# Altium PCB ZHZ_Balance.PcbDoc
Units mil, origin at the board's own origin, x right, y up, seen from the top; angles counter-clockwise.
Board outline 3159.64 x 2608.46 mil, 2 copper layers (Top Layer, Bottom Layer); 66 components, 62 nets, 270 pads, 167 vias.
Unrouted connection lines stored in the file: 57.
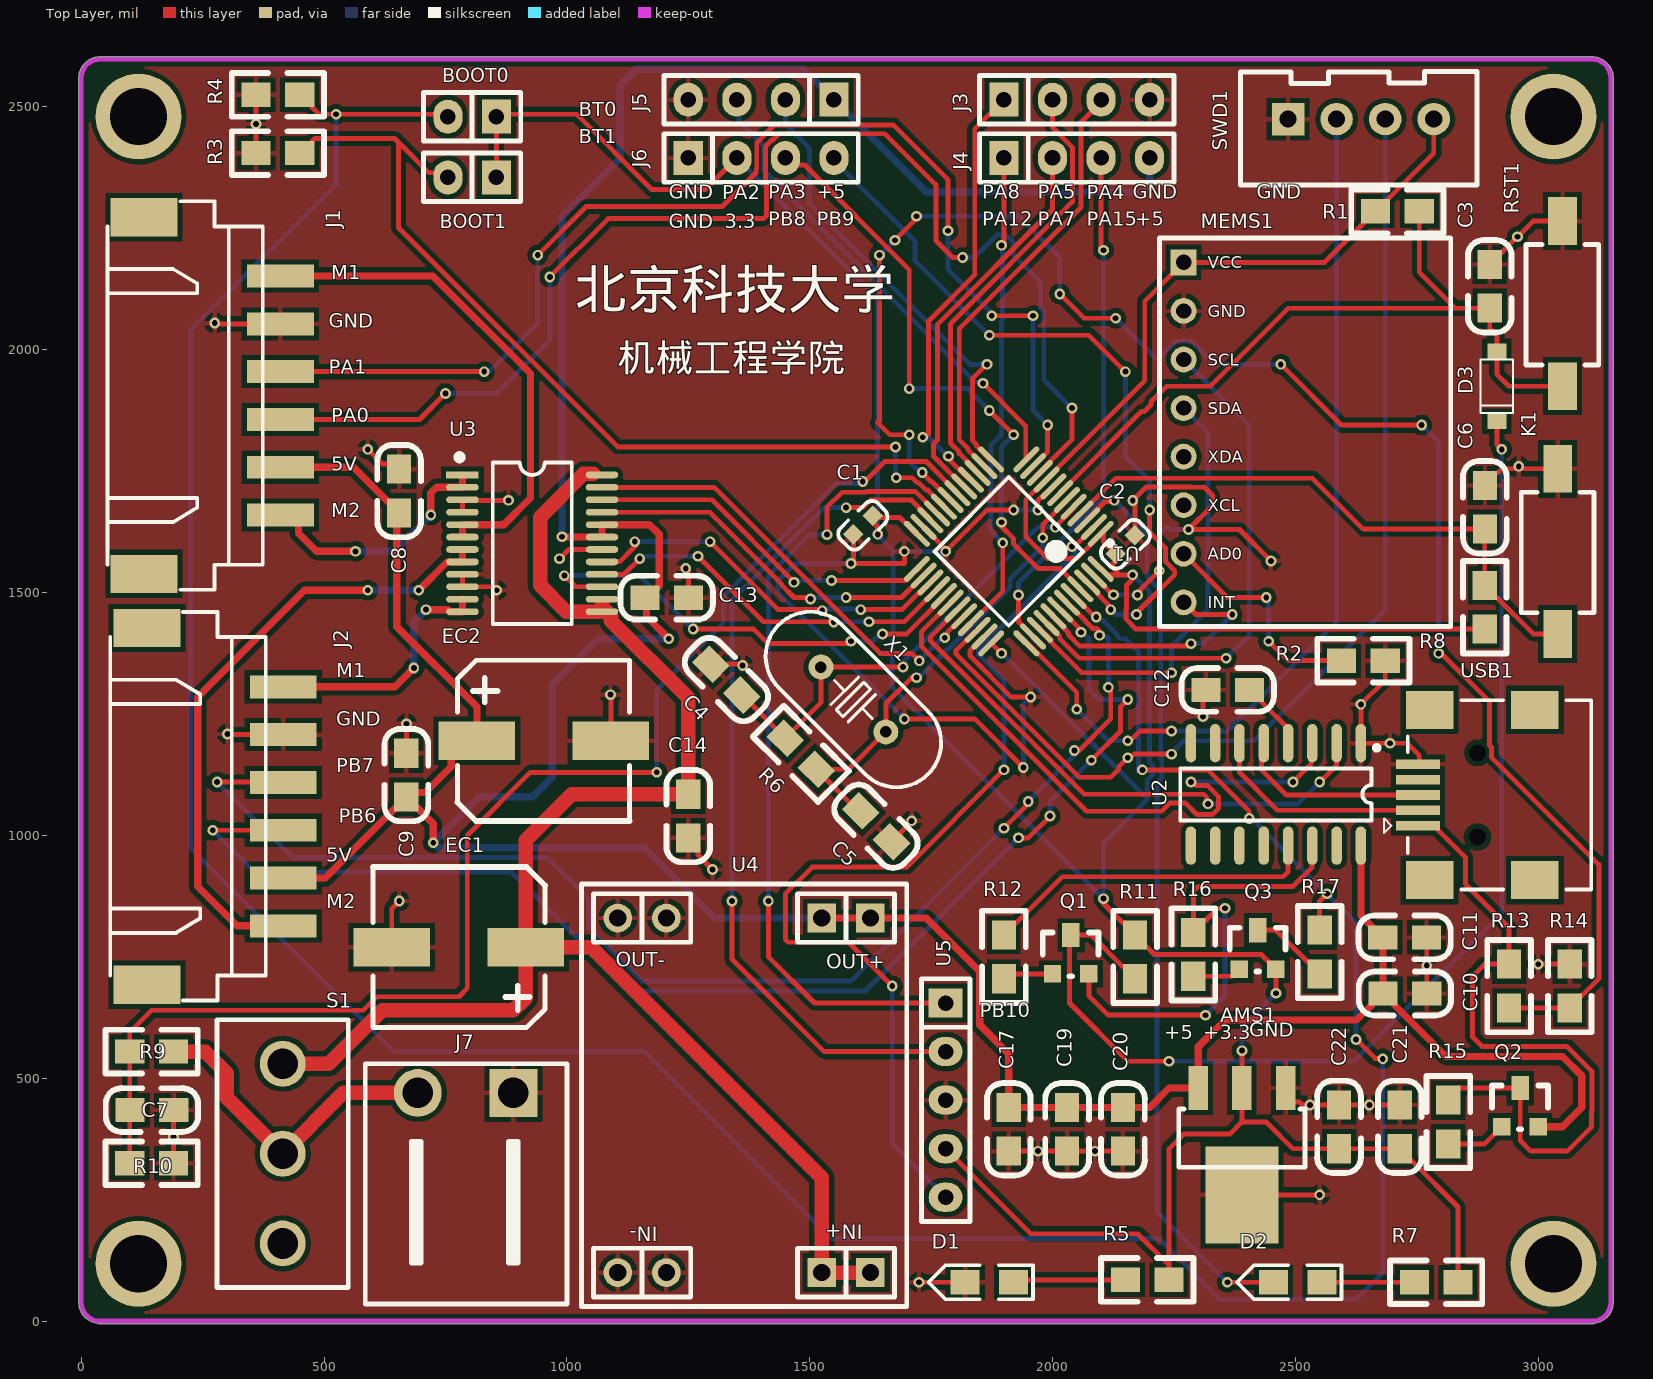
[diagram p0: Top Layer view]
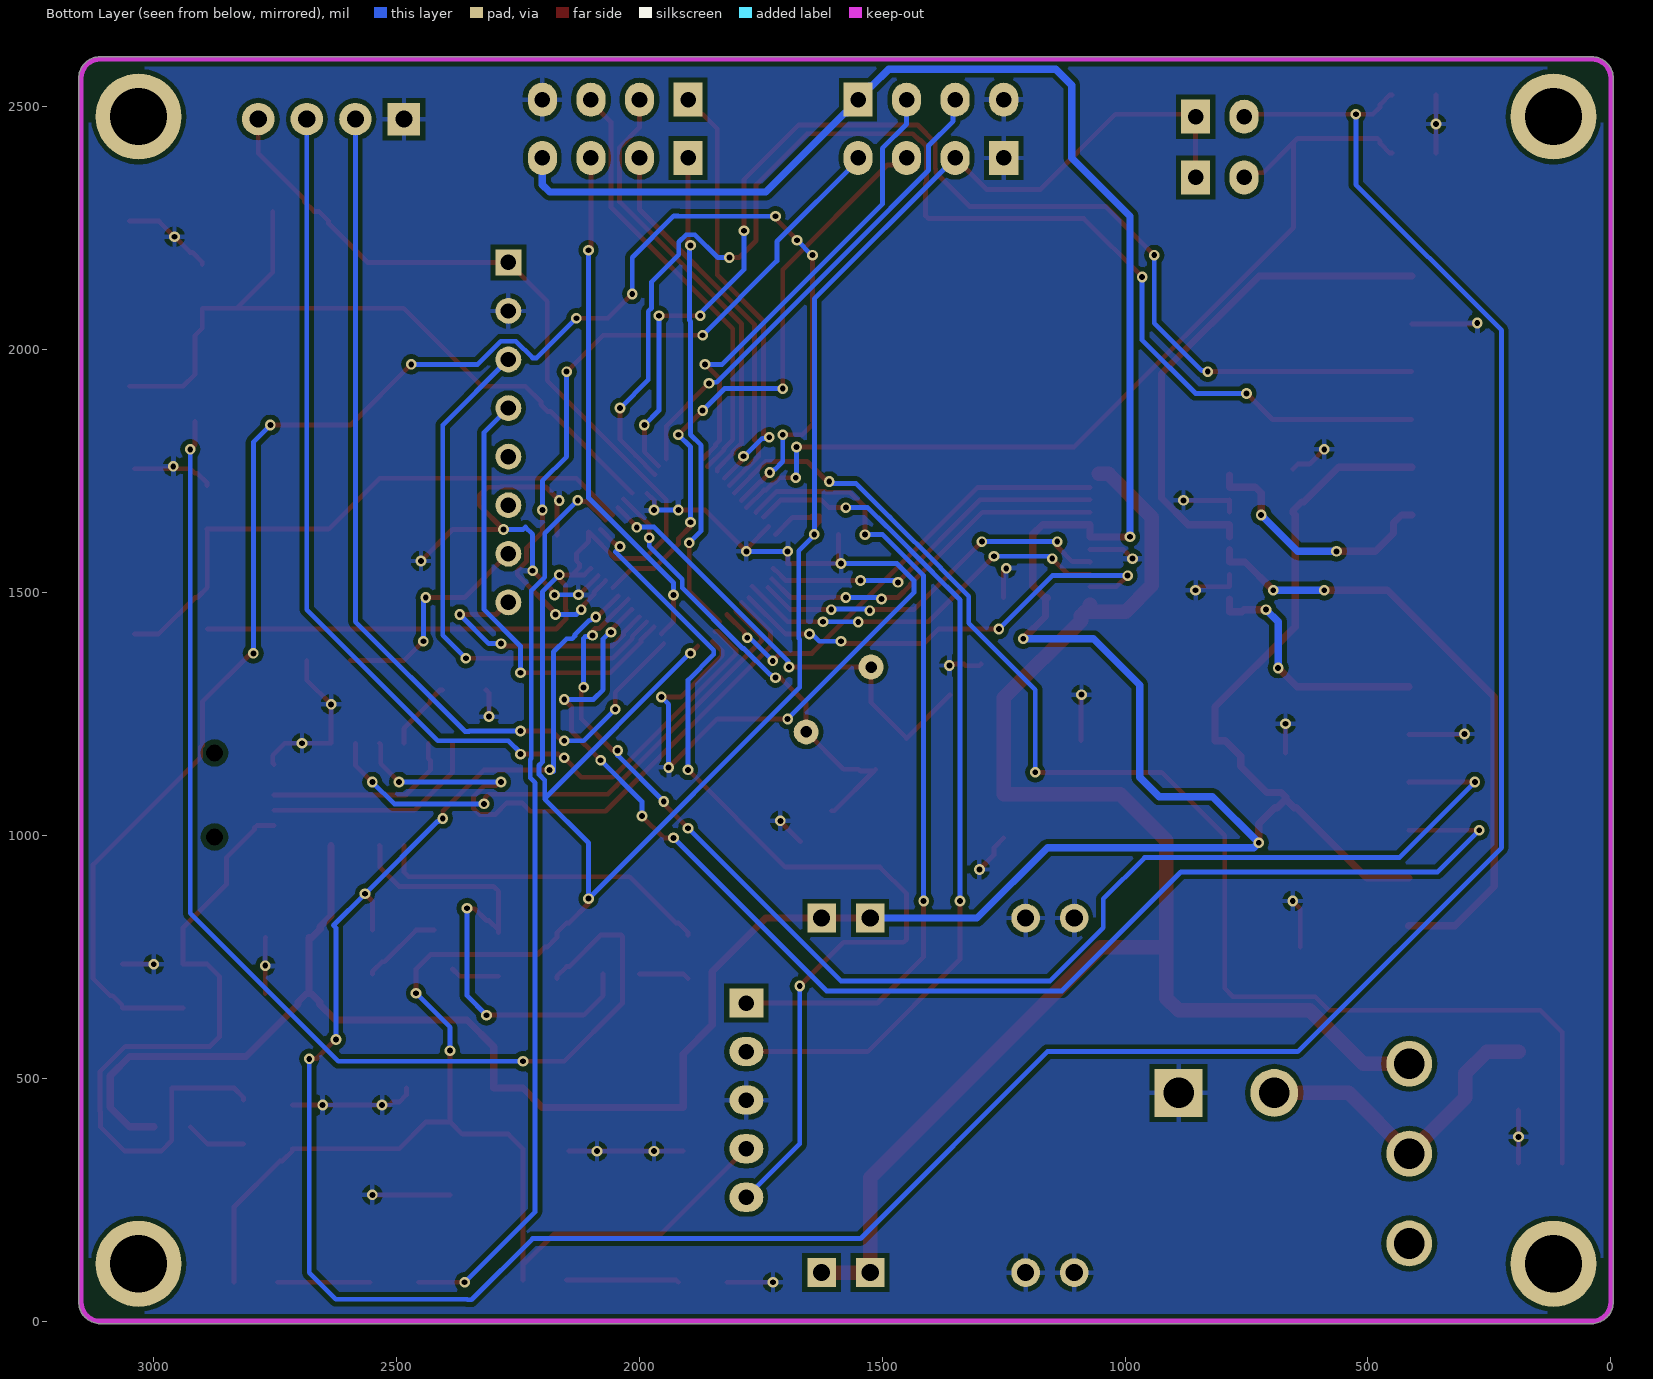
[diagram p1: Bottom Layer view, seen from below]

## Layer stack, top to bottom
Top Solder: solder mask 0.4, Solder Resist, Dk 3.5
Top Layer: signal copper 1.4
Dielectric 1: dielectric 12.6, FR-4, Dk 4.8
Bottom Layer: signal copper 1.4
Bottom Solder: solder mask 0.4, Solder Resist, Dk 3.5

## Board outline
39.37,-5.01 cw(c39.37,39.37) -5.01,39.37 -5.01,2559.06 cw(c39.37,2559.06) 39.37,2603.44 3110.24,2603.44 cw(c3110.24,2559.06) 3154.62,2559.06 3154.62,39.37 cw(c3110.24,39.37) 3110.24,-5.01

## Design rules (kind name [scope] priority, off if disabled: settings)
Clearance [All] p1: gap=6 ignorepadtopadclearanceinfootprint=FALSE except(8: Arc-Arc Arc-Track Track-Track; 10: Arc-Fill Arc-Poly Arc-Region Track-Fill Track-Poly Track-Region SMDPad-Fill SMDPad-Poly SMDPad-Region THPad-Fill THPad-Poly THPad-Region Via-Fill Via-Poly Via-Region Fill-Fill Fill-Poly Fill-Region Poly-Poly Poly-Region Region-Region)
HoleSize [All] p1: absolutevalues=TRUE maxlimit=1000 minlimit=1 maxpercent=80.000 minpercent=20.000
HoleToHoleClearance [All] p1: gap=0 allowstackedmicrovias=TRUE
MinimumSolderMaskSliver [All] p1: minsoldermaskwidth=0
PolygonConnect [All] p1: connectstyle=Relief reliefconductorwidth=10 reliefentries=4 polygonreliefangle="90 Angle" airgapwidth=10
RoutingVias [All] p1: holewidth=12 width=22 viastyle="Through Hole" minholewidth=12 minwidth=22 maxholewidth=12 maxwidth=22
SilkToSilkClearance [All] p1: silktosilkclearance=0
SilkToSolderMaskClearance [IsPad] p1: minsilkscreentomaskgap=0 clearancetoexposedcopper=TRUE
SolderMaskExpansion [All] p1: expansion=4 istentingtop=FALSE
Width PWR_2 [InNetClass('PWR_2')] p1: maxlimit=20 minlimit=15 preferedwidth=15
Width PWR_1 [InNetClass('PWR_1')] p2: maxlimit=40 minlimit=30 preferedwidth=30
Width [All] p3: maxlimit=40 minlimit=10 preferedwidth=10
25 further rules are at their usual default settings.

## Components (designator, comment, footprint, x,y, rotation, side; value= is the part's Value field where it differs from the comment)
AMS1 "AMS1117" SOT223 2390,480 r180 top
BOOT0 "拨码开关" 二脚排针 700,2545 r270 top
BOOT1 "拨码开关" 二脚排针 700,2420 r270 top
C1 "Cap" 0603C 1589.6,1620.1 r45 top value=104
C2 "Cap" 0603C 2170,1618.08 r225 top value=104
C3 "Cap" 0805C 2900,2175 r270 top value=104
C4 "Cap" 0805C 1360,1290 r135 top value=22pF
C5 "Cap" 0805C 1605,1050 r315 top value=22pF
C6 "Cap" 0805C 2890,1720 r270 top value=104
C7 "Cap" 0805C 190,435 r180 top value=104
C8 "Cap" 0805C 655,1665 r90 top value=104
C9 "Cap" 0805C 670,1080 r90 top value=104
C10 "Cap" 0805C 2770,675 r180 top value=104
C11 "Cap" 0805C 2769.29,790.4 r180 top value=10uF
C12 "Cap" 0805C 2405,1300 r180 top value=104
C13 "Cap" 0805C 1250,1490 r180 top value=104
C14 "Cap" 0805C 1250.4,995.71 r90 top value=104
C17 "Cap" 0805C 1910.4,350.71 r90 top value=104 (schematic designator C15)
C19 "Cap" 0805C 2030.4,350.71 r90 top value=10uF (schematic designator C16)
C20 "Cap" 0805C 2145.4,350.71 r90 top value=104 (schematic designator C17)
C21 "Cap" 0805C 2714.6,444.29 r270 top value=104 (schematic designator C18)
C22 "Cap" 0805C 2589.6,444.29 r270 top value=10uF (schematic designator C19)
D1 "PWR" LED-0805Y 1920,80 r180 top
D2 "LED1" LED-0805Y 2555,80 r180 top
D3 "1N4148WS T4" SOD-123 2915,1995 r270 top
EC1 "220uF" SMD-EC8X8X10 645,765 r180 top
EC2 "220uF" SMD-EC8X8X10 1085,1200 r0 top
J1 "A_encoder" XH2.54-WS-6P 213.9,1905.79 r270 top
J2 "B_Encoder" XH2.54-WS-6P 220,1060 r270 top
J3 "J?" 4脚排针 1900,2515 r90 top
J4 "J?" 4脚排针 1900,2395 r90 top
J5 "超声波" 四脚排母 1550,2515 r270 top
J6 "OLED_I2C" 四脚排母 1250,2395 r90 top
J7 "电池" 插拔式端子 791.57,470 r180 top
K1 "KEY" SMD-3X6X5 3040,1415 r90 top
MEMS1 "GY-521" 陀螺仪 2270,2180 r0 top
Q1 "SS8050" SOT-23 2035,750 r0 top
Q2 "SS8050" SOT-23 2960,435 r0 top
Q3 "SS8550" SOT-23 2420,760 r0 top
R1 "Res2" 0805R 2755,2285 r180 top value=10K
R2 "Res2" 0805R 2595,1360 r0 top value=10K
R3 "Res2" 0805R 360,2405 r0 top value=10K
R4 "Res2" 0805R 360,2525 r0 top value=10K
R5 "Res2" 0805R 2150,85 r0 top value=1K
R6 "Res2" 0805R 1513.64,1136.36 r135 top value=1M
R7 "Res2" 0805R 2745,80 r0 top value=1K
R8 "Res2" 0805R 2890,1515 r270 top value=10K
R9 "Res2" 0805R 100,555 r0 top value=10K
R10 "Res2" 0805R 190,325 r180 top value=1K
R11 "Res2" 0805R 2170,705 r90 top value=10K
R12 "Res2" 0805R 1900,705 r90 top value=1K
R13 "Res2" 0805R 2940,645 r90 top value=6.8K
R14 "Res2" 0805R 3065,645 r90 top value=10K
R15 "Res2" 0805R 2815,365 r90 top value=10K
R16 "Res2" 0805R 2290,710 r90 top value=1K
R17 "Res2" 0805R 2550,805 r270 top value=1K
RST1 "SW-PB" SMD-3X6X5 3050,1925 r90 top
S1 "电源开关" SS-12D10 415,344.96 r90 top
SWD1 "XH-4A" XH2.54-LI-4P 2635,2475 r0 top
U1 "STM32F103C8T6" STM32F103C8T6 1910,1585 r225 top
U2 "CH340G" SOP16 2460,1085 r270 top
U3 "TB6612FNG" SSOP24 928.7,1601.61 r0 top
U4 "DC-DC" "DC_DC DOWN" 1105,100 r90 top
U5 "蓝牙" Fe-HDR1X5/2.54-S 1780,655 r0 top
USB1 "USB_5" USB-MINI-A 2752.64,1020.4 r90 top
X1 "8MHz" "OSC HC-49S" 1590,1280 r135 top

## Footprints (in the part's own frame and the unit in brackets; to place one, negate y for a bottom-side part, rotate by r counter-clockwise, add the part's x,y. Pads: shape width x height; smd on the part's side, far side on the other; paste and mask are expansions set on the pad)
4脚排针 [mil]
  rect 70x60 hole 32: 1(0,0)
  oval 70x60 hole 32: 2(0,-100) 3(0,-200) 4(0,-300)
  silkscreen extent -50,-350 50,50, body extent -50,-350 50,50, height 336
0603C [mil]
  rect 30x30 smd: 1(0.21,-0.35) 2(55.21,-1.35)
  silkscreen extent -26,-30 81,28, body extent -1,-15 62,17, height 12
0805C [mil]
  rect 60x50 smd: 1(-0.71,0.4) 2(89.29,0.4)
  silkscreen extent -51,-45 139,45, body extent 6,-25 84,25
0805R [mil]
  rect 60x50 smd: 1(0,0) 2(90,0)
  silkscreen extent -50,-45 140,45, body extent 1,-25 80,25, height 15
"DC_DC DOWN" [mm]
  round 1.5 hole 0.9: 1(0,0) 1(0,-2.54) 4(18.542,-2.54) 4(18.542,0)
  rect 1.5x1.5 hole 0.9: 2(0,-10.668) 2(0,-13.208) 3(18.542,-13.208) 3(18.542,-10.668)
  silkscreen extent -1.78,-15.11 20.32,1.9
Fe-HDR1X5/2.54-S [mil]
  rect 70x60 hole 32: 1(0,0)
  oval 70x60 hole 32: 2(0,-100) 3(0,-200) 4(0,-300) 5(0,-400)
  silkscreen extent -50,-450 50,50, body extent -50,-455 48,55, height 126
LED-0805Y [mil]
  rect 60x50 smd: 1(0,0) 2(100,0)
  silkscreen extent -40,-35 175,35, body extent 11,-26 89,23, height 32
"OSC HC-49S" [mm]
  round 1.3 hole 0.6: 1(-2.4,0) 2(2.4,0)
  silkscreen extent -5.52,-2.32 5.52,2.33, body extent -5.53,-2.29 5.53,2.36, height 4.13
SMD-3X6X5 [mm]
  rect 2.5x1.5 smd: 1(0,0) 2(8.636,0)
  silkscreen extent 1.11,-1.9 7.41,1.9, body extent -0.41,-1.72 8.79,1.78, height 5.1
SMD-EC8X8X10 [mm]
  rect 4x2 smd: 1(-6.858,-0.127) 2(0.142,-0.127)
  silkscreen extent -7.88,-4.32 1.12,4.08, body extent -8.38,-4.28 1.52,4.02, height 10.2
SOD-123 [mm] "塑封二极管"
  rect 0.8x1 smd: A(-0.051,0) K(3.607,0)
  silkscreen extent 0.38,-0.85 3.18,0.85, body extent -0.12,-0.89 3.73,0.81, height 1.43
SOP16 [mm] "（蒜米工坊）"
  oval 2x0.55 smd: 1(-2.667,4.445) 2(-2.667,3.175) 3(-2.667,1.905) 4(-2.667,0.635) 5(-2.667,-0.635) 6(-2.667,-1.905) 7(-2.667,-3.175) 8(-2.667,-4.445) 9(2.692,-4.445) 10(2.692,-3.175) 11(2.692,-1.905) 12(2.692,-0.635) 13(2.692,0.635) 14(2.692,1.905) 15(2.692,3.175) 16(2.692,4.445)
  silkscreen extent -2.55,-5 1.37,5.4, body extent -2.92,-4.99 2.98,4.99, height 1.45
SOT223 [mil]
  rect 40x90 smd: 1(-90,0) 2(0,0) 3(90,0)
  rect 150x200 smd: 2(0,220)
  silkscreen extent -130,43 130,163, body extent -130,-30 126,246, height 65
SOT-23 [mil]
  rect 36x36 smd: B(-35,-35) E(40,-35)
  rect 36x50 smd: C(3,45)
  silkscreen extent -55,-40 60,50, body extent -54,-48 60,62, height 47
SS-12D10 [mm] "脚距3mm"
  round 2.4 hole 1.6: 1(-4.7,0) 2(0,0) 3(4.7,0)
  silkscreen extent -7,-3.43 7,3.43, body extent -7,-3.1 7,3.1, height 9.65
SSOP24 [mm] "8.3*7.8*1.6（蒜米工坊）"
  rect 1.7x0.35 smd: 1(-3.65,3.575)
  oval 1.7x0.35 smd: 2(-3.65,2.925) 3(-3.65,2.275) 4(-3.65,1.625) 5(-3.65,0.975) 6(-3.65,0.325) 7(-3.65,-0.325) 8(-3.65,-0.975) 9(-3.65,-1.625) 10(-3.65,-2.275) 11(-3.65,-2.925) 12(-3.65,-3.575) 13(3.65,-3.575) 14(3.65,-2.925) 15(3.65,-2.275) 16(3.65,-1.625) 17(3.65,-0.975) 18(3.65,-0.325) 19(3.65,0.325) 20(3.65,0.975) 21(3.65,1.625) 22(3.65,2.275) 23(3.65,2.925) 24(3.65,3.575)
  silkscreen extent -3.93,-4.23 2.06,4.63, body extent -3.85,-4.15 3.85,4.15, height 1.65
STM32F103C8T6 [mm] "Thin QFP, 48-Leads, Body 7x7mm, Pitch 0.5mm, IPC Medium Density"
  oval 1.8x0.3 smd: 1(-4.05,2.75) 2(-4.05,2.25) 3(-4.05,1.75) 4(-4.05,1.25) 5(-4.05,0.75) 6(-4.05,0.25) 7(-4.05,-0.25) 8(-4.05,-0.75) 9(-4.05,-1.25) 10(-4.05,-1.75) 11(-4.05,-2.25) 12(-4.05,-2.75) 25(4.05,-2.75) 26(4.05,-2.25) 27(4.05,-1.75) 28(4.05,-1.25) 29(4.05,-0.75) 30(4.05,-0.25) 31(4.05,0.25) 32(4.05,0.75) 33(4.05,1.25) 34(4.05,1.75) 35(4.05,2.25) 36(4.05,2.75)
  oval 0.3x1.8 smd: 13(-2.75,-4.05) 14(-2.25,-4.05) 15(-1.75,-4.05) 16(-1.25,-4.05) 17(-0.75,-4.05) 18(-0.25,-4.05) 19(0.25,-4.05) 20(0.75,-4.05) 21(1.25,-4.05) 22(1.75,-4.05) 23(2.25,-4.05) 24(2.75,-4.05) 37(2.75,4.05) 38(2.25,4.05) 39(1.75,4.05) 40(1.25,4.05) 41(0.75,4.05) 42(0.25,4.05) 43(-0.25,4.05) 44(-0.75,4.05) 45(-1.25,4.05) 46(-1.75,4.05) 47(-2.25,4.05) 48(-2.75,4.05)
  silkscreen extent -4.17,-2.75 2.75,3.57, body extent -3.5,-3.5 3.5,3.5, height 1.6
USB-MINI-A [mm]
  rect 2x2.5 smd: 0(-2.85,-0.608) 0(-2.85,-6.108) 0(6.05,-0.608) 0(6.05,-6.108)
  rect 0.5x2.3 smd: 1(0,0) 2(0.8,0) 3(1.6,0) 4(2.4,0) 5(3.2,0)
  round 0.6 hole 0.9 unplated: MH1(3.8,-3.108) MH2(-0.6,-3.108)
  silkscreen extent -3.35,-9.06 6.55,1.78, body extent -3.17,-9.04 6.33,0.66, height 3.95
XH2.54-LI-4P [mm] "接插件，4P"
  round 1.7 hole 0.9: 1(3.81,0) 2(1.27,0) 3(-1.27,0)
  rect 1.7x1.7 hole 0.9: 4(-3.81,0)
  silkscreen extent -6.3,-3.45 6.07,2.49, body extent -6.31,-3.3 6.31,2.4, height 7.03
XH2.54-WS-6P [mm] "长：20mm，宽：8mm，高：6.1mm"
  rect 2x3.5 smd: 0(-9.327,-2.15) 0(9.327,-2.15)
  rect 1.2x3.5 smd: 1(-6.25,4.981) 2(-3.75,4.981) 3(-1.25,4.981) 4(1.25,4.981) 5(3.75,4.981) 6(6.25,4.981)
  silkscreen extent -10.16,-4.06 10.16,4.06, body extent -10,-4 10,6.42, height 6.05
二脚排针 [mil]
  rect 70x60 hole 32: 1(65,155)
  oval 70x60 hole 32: 2(65,55)
  silkscreen extent 15,5 115,205, body extent 15,5 115,205, height 336
四脚排母 [mil]
  rect 70x60 hole 32: 1(0,0)
  oval 70x60 hole 32: 2(0,-100) 3(0,-200) 4(0,-300)
  silkscreen extent -50,-350 50,50, body extent -44,-355 54,55, height 335
插拔式端子 [mm]
  round 2.5 hole 1.6: 1(2.5,0)
  rect 2.5x2.5 hole 1.6: 2(-2.5,0)
  silkscreen extent -5.29,-1.52 5.25,11.05, body extent -5.04,-0.5 5.04,10.8, height 8.5
陀螺仪 [mm]
  rect 1.35x1.35 hole 0.8: 1(0,0)
  round 1.35 hole 0.8: 2(0,-2.54) 3(0,-5.08) 4(0,-7.62) 5(0,-10.16) 6(0,-12.7) 7(0,-15.24) 8(0,-17.78)
  silkscreen extent -1.27,-19.05 13.97,1.27

## Part data
AMS1: "三端稳压芯片"
BOOT0 BOOT1: library part BOOT
C1 C2 C3 C4 C5 C6 C7 C8 C9 C10 C11 C12 C13 C14 C17 C19 C20 C21 C22: "Capacitor", LatestRevisionDate=17-Jul-2002, LatestRevisionNote="Re-released for DXP Platform.", PackageDescription="Radial Cap, Thru-Hole; 2 Leads; 0.3 in Pin Spacing", PackageReference=RAD-0.3, Published=8-Jun-2000, Publisher="Altium Limited"
D1 D2: library part LED0, "Typical INFRARED GaAs LED", LatestRevisionDate=08-Jul-2005, LatestRevisionNote="Mech Layer 1 removed.", PackageDescription="LED; 2 Leads", PackageReference=LED-0, Published=8-Jun-2000, Publisher="Altium Limited"
D3: library part DIODE, "普通二极管"
EC1 EC2: library part SMD_ECAP, "贴片电解电容"
J3 J4: library part 4xIO
J7: library part OLED_I2C_1
MEMS1: "MEMS, MPU6050 Compontents", BuildDate-0.1=2018-4-9, Version=0.1
Q1 Q2: library part NPN, "NPN三极管"
Q3: library part PNP, "PNP三极管"
R1 R2 R3 R4 R5 R6 R7 R8 R9 R10 R11 R12 R13 R14 R15 R16 R17: "Resistor", LatestRevisionDate=17-Jul-2002, LatestRevisionNote="Re-released for DXP Platform.", PackageDescription="Axial Device, Thru-Hole; 2 Leads; 0.4 in Pin Spacing", PackageReference=AXIAL-0.4, Published=8-Jun-2000, Publisher="Altium Limited"
RST1: "Switch", LatestRevisionDate=17-Jul-2002, LatestRevisionNote="Re-released for DXP Platform.", PackageDescription="Switch; 2 Leads", PackageReference=SPST-2, Published=24-Mar-1999, Publisher="Altium Limited"
S1: library part SS-12F23
SWD1: library part "Header 4", "Header, 4-Pin", LatestRevisionDate=17-Jul-2002, LatestRevisionNote="Re-released for DXP Platform.", Publisher="Altium Limited"
U2: library part CH340
U4: "Power Module", BuildDate-0.1=2018-3-16, Version=0.1
X1: library part XTAL-2P, "2脚无源脚晶振"

## Free pads (board coordinates)
  round 177.17 hole 118.11 mask+11.81: ""(118.11,118.11) ""(118.11,2480.32) ""(3031.5,118.11) ""(3031.5,2480.32)

## Via types
v1: diameter 22, hole 12, Top Layer to Bottom Layer, 167 vias

## Nets (pads, with @x,y where several pads share a name; then routed paths per layer and width w, separated by ;. In a path a pad name is that pad's centre, name@x,y a point inside that pad or via, vN(x,y) a via of type N, cw(c..) or ccw(c..) an arc to the next point about the centre after c; other vN are vias at no path point)
3V3: AMS1.2@2390,480 BOOT0.1 BOOT1.1 C1.2 C2.2 C21.2 C22.2 J6.2 MEMS1.1 Q3.E R1.2 R5.2 R7.2 R8.2 R11.2 SWD1.1 U1.1 U1.9 U1.24 U1.36 U1.48 U5.4 | length 8922.5
  Top Layer w10: BOOT1.1 BOOT0.1 860,2485 1020,2485 1175,2330 1285,2330 J6.2 ; v1(1640,1620) 1639.34,1620.66 1639.34,1636.11 1629.6,1645.86 C1.2 1643.74,1658.18 1646.92,1655 1685,1655 1700.79,1639.21 1700.79,1638.75 U1.24@1719.77,1619.77 ; U5.4 1955,180 2175,180 2235.86,119.14 ; 1880,1390 v1(1895,1375) ; U1.48@2100,1550 2113.38,1536.62 2138.38,1536.62 ; v1(2105,870) 2105,860 2145,820 2150,820 2170,800 R11.2 2170,790 2190,770 2195,770 2210,755 2430,755 Q3.E v1(2460,675) ; R5.2 2240,355 2270,385 2365,385 2390,410 ; v1(2390,557) 2390,480 2390,410 ; SWD1.1 2785,2405 2690,2310 2690,2305 2670,2285 R1.2 2660,2285 2640,2265 2640,2260 2560,2180 MEMS1.1 2190,2100 2190,1936.34 1945,1691.34 1945,1615 1990,1570 2050,1570 2105,1625 2105,1605 C2.2 2130,1565.86 2123.71,1559.57 2123.71,1551.29 2138.38,1536.62 ; R7.2 2835,235 2740,330 2735,330 2715,350 C21.2 C22.2 2495,355 2440,410 2390,410 ; R8.2 2171.89,1425 2151,1445.89 2151,1464.11 2152.57,1465.68 2152.57,1515.71 2165,1528.14 v1(2165,1536.62) 2138.38,1536.62
  Bottom Layer w10: J6.2 1640,2105 v1(1640,1620) 1640,1618.14 1672,1586.14 1672,1405.89 1670,1403.89 1670,1305 v1(2105,870) 2105,985 2195,1075 2195,1076.11 ; v1(1895,1375) 1896.11,1375 2195,1076.11 ; v1(2165,1536.62) 2200,1501.62 2200,1151.11 2207,1144.11 2207,1125.89 2195,1113.89 2195,1076.11 ; v1(2390,557) 2390,605 v1(2460,675)
5V: AMS1.3 C8.1 C9.1 C10.2 C11.2 C13.2 C17.2 C19.2 C20.2 EC2.1 J1.5 J2.5 J4.4 J5.1 Q2.E U2.16 U3.19 U3.20 U4.3 | length 8423
  Top Layer w15: J1.5 560.74,1758.15 632.1,1686.79 637.1,1686.79 654.6,1669.29 C8.1 650,1659.7 650,1430 815,1265 EC2.1 793.79,1195 761.92,1163.13 761.92,1141.92 708.31,1088.31 678.62,1088.31 C9.1 C9.1@669.6,1074.29 ; J2.5 502.67,912.36 647.1,1056.79 652.1,1056.79 C9.1@669.6,1074.29 ; v1(725,985) 725,1023.89 692.1,1056.79 687.1,1056.79 C9.1@669.6,1074.29 ; v1(990,1615) 990.59,1614.41 U3.19 U3.20 1170,1640 1190,1620 1190,1513.89 1165.71,1489.6 C13.2 1164.11,1486.19 1164.11,1450.89 v1(1210,1405) ; U4.3@1525,830 1625,830 1740,830 1850,720 1850,610 1910,550 C17.2 C19.2 C20.2 2200,440 2240,480 AMS1.3 2300,565 2355,620 2626.11,620 2658.21,652.1 2658.21,657.1 2675.71,674.6 C10.2 ; U2.16 2635,835 2657.5,812.5 2657.5,807.5 2675,790 C11.2 2680.71,789.29 C10.2 ; Q2.E 3050,400 3090,440 3090,505 3050,545 2810.3,545 2703.21,652.1 2703.21,657.1 2685.71,674.6 C10.2
  Bottom Layer w15: v1(990,1615) 990,2275 1110,2395 1110,2545 1142.93,2577.93 1487.07,2577.93 1522.5,2542.5 1527.5,2542.5 1550,2520 J5.1 1550,2510 1572.5,2487.5 1577.5,2487.5 1740,2325 2185,2325 2200,2340 J4.4 ; v1(1210,1405) 1065,1405 970,1310 970,1120 930,1080 820,1080 v1(725,985) 735,975 1160,975 1305,830 U4.3@1525,830
12V: C14.2 EC1.1 S1.3 U3.13 U3.14 U3.24 U4.2 | length 3262.8
  Top Layer w30: S1.3 510,530 620,640 890,640 915,665 EC1.1 ; U3.24@1053.94,1744.66 1034.27,1744.66 945,1655.39 945,1515 999.13,1460.87 U3.13 ; 1072.4,1475 U3.13 ; U4.2@1625,100 1525,100 1525,295 1050,770 EC1.1 ; EC1.1 915,990 1010,1085 C14.2 1250,1283.27 1090.87,1442.4 1090.87,1452.76 1082.76,1460.87 U3.13
A_M1: J1.1 U3.5 U3.6 | length 1042.6
  Top Layer w15: J1.1 724.16,2151.85 925,1951.01 925,1695 870,1640 U3.5 U3.6
A_M2: J1.6 U3.1 U3.2 | length 524.9
  Top Layer w15: J1.6 431.21,1659.72 447.34,1643.6 447.34,1622.39 484.72,1585 v1(565,1585) ; v1(720,1660) 720,1705 731.77,1716.77 U3.2 U3.1
  Bottom Layer w15: v1(565,1585) 645,1585 v1(720,1660)
B_M1: J2.1 U3.11 U3.12 | length 517.7
  Top Layer w15: J2.1 646.06,1306.06 v1(685,1345) ; v1(710,1465) 755.51,1465 759.65,1460.87 U3.12 U3.11
  Bottom Layer w15: v1(685,1345) 685,1440 v1(710,1465)
B_M2: J2.6 U3.7 U3.8 | length 1285.5
  Top Layer w15: J2.6 321.06,813.94 240,895 240,1285 460,1505 v1(590,1505) ; v1(695,1505) 753.23,1563.23 U3.8 U3.7
  Bottom Layer w15: v1(590,1505) v1(695,1505)
BAT+: J7.1 R9.2 S1.2 | length 671.3
  Top Layer w30: R9.2 255,555 300,510 300,459.96 S1.2 540.04,470 J7.1
BOOT0: BOOT0.2 R4.2 R17.1 U1.44 | length 6663.6
  Top Layer w10: R4.2 455,2525 475,2505 475,2500 490,2485 v1(525,2485) 750,2485 BOOT0.2 ; U1.44 2086.76,1450 v1(2090,1450) ; v1(2185,1135) 2320,1135 2405,1050 ; R17.1 2550,865 v1(2565,880) ; v1(2625,580) 2664.12,540.88 2679.12,540.88 v1(2680,540)
  Bottom Layer w10: v1(525,2485) 525,2340 225,2040 225,975 645,555 1160,555 1545,170 2220,170 2345.86,44.14 2354.14,44.14 2355,45 2625,45 2680,100 v1(2680,540) ; v1(2090,1450) 2093.25,1450 2100.25,1443 2103.6,1443 2133,1413.6 2133,1410.86 2138.86,1405 2150,1405 2177,1378 2177,1132 2180,1135 v1(2185,1135) ; v1(2405,1035) 2408.25,1035 2414.13,1029.12 2415.88,1029.12 v1(2565,880) 2630,815 2625,810 v1(2625,580)
BOOT1: BOOT1.2 R3.2 U1.20 | length 1930
  Top Layer w10: R3.2 455,2405 475,2425 475,2429.14 480.86,2435 645.59,2435 653.38,2427.2 ; BOOT1.2 745.39,2364.61 715.97,2364.61 653.38,2427.2 ; v1(1676.67,1800) 1105,1800 653.38,2251.62 653.38,2427.2 ; v1(1678.33,1736.67) 1711.11,1736.67 1721.38,1726.4 1724.51,1726.4 1739.8,1711.12 1743.43,1711.12 U1.20@1779.77,1674.77
  Bottom Layer w10: v1(1676.67,1800) 1676.67,1738.33 v1(1678.33,1736.67)
CH340_D+: U2.5 USB1.3 | length 401.1
  Top Layer w10: U2.5 2435,1158.3 2430,1153.3 2430,1135 2481.61,1083.39 USB1.3
CH340_D-: U2.6 USB1.2 | length 460
  Top Layer w10: U2.6 2385,1130 2463.11,1051.89 USB1.2
DTR: R12.2 U2.13 | length 695.8
  Top Layer w10: R12.2 1900,800 1920,820 1925,820 2020,915 2475,915 2485,925 U2.13
GND: AMS1.1 AMS1.2@2390,260 C1.1 C2.1 C3.1 C4.2 C5.2 C6.1 C7.1 C8.2 C9.2 C10.1 C11.1 C12.2 C13.1 C14.1 C17.1 C19.1 C20.1 C21.1 C22.1 D1.2 EC1.2 EC2.2 J1.2 J2.2 J3.4 J5.4 J6.1 J7.2 K1.2 MEMS1.2 R2.2 R3.1 R4.1 R10.1 R14.2 RST1.2 SWD1.4 U1.8 U1.23 U1.35 U1.47 U2.1 U3.3 U3.4 U3.9 U3.10 U3.18 U4.1 U4.4 U5.3 USB1.5 | length 5806.9
  Top Layer w10: R10.1 190,433.89 C7.1 ; v1(275,2055) 276.57,2053.43 J1.2 ; v1@300,1210 302.36,1207.64 J2.2 ; R3.1 R4.1 ; v1(590,1795) 620.46,1764.54 644.35,1764.54 C8.2 ; EC1.2 639.41,849.41 v1(655,865) ; C9.2 669.6,1229.6 v1(670,1230) ; U3.9 U3.10 847.95,1512.05 v1(855,1505) ; U3.4 U3.3 786.18,1690 v1(880,1690) 845,1690 ; v1(985,1570) 1003.82,1588.82 U3.18 ; v1(1090,1290) 1090.59,1289.41 EC2.2 ; v1(1245,1550) 1250.71,1544.29 C13.1 ; C14.1 1270,975 1270,960 v1(1300,930) ; C4.2 1300.11,1349.32 1328.4,1349.32 1331.93,1352.86 1357.14,1352.86 1360,1350 v1(1362,1350) ; C1.1 1590,1565 v1(1585,1560) 1695,1560 v1(1695,1585) ; C5.2 1710,1028.72 v1(1710,1030) ; v1(1695,1240) 1840,1240 v1(1940,1140) ; v1(1725,80) D1.2 ; U1.23@1733.85,1636.15 1774.12,1595.88 1774.12,1594.13 1780,1588.25 v1(1780,1585) 1865,1670 v1(1920,1670) ; U1.35@1850,1400 1830.1,1380.1 1830.1,1370.36 1915.46,1285 v1(1955,1285) ; C17.1 C19.1 C20.1 ; v1(1970,1670) 1969.14,1670.86 1969.14,1689.14 U1.8@1984.73,1704.73 ; U1.47@2085,1535 2124.44,1495.56 v1(2125.56,1495.56) ; C2.1 2169.6,1685.4 v1(2165.3,1689.7) 2193.17,1717.57 2285.56,1717.57 2286.14,1717 2313,1717 2330,1700 2330,1680 v1(2280,1630) 2385,1630 v1(2450,1565) ; v1(2175,1495) 2175,1498.25 2180.88,1504.13 2180.88,1505.88 v1(2220,1545) ; v1(2310,1245) 2310,1293.89 C12.2 ; AMS1.2@2390,260 v1(2550,260) ; AMS1.1 2480,465.86 2495,450.86 2509.14,450.86 2515,445 C22.1 C21.1 ; R2.2 2685,1320 v1(2635,1270) U2.1 2730,1190 2755,1165 2755,1148.74 USB1.5 ; C11.1 2770.71,789.29 C10.1 ; C6.1 2890.4,1725.71 2910.4,1745.71 2915.4,1745.71 2924.7,1755 K1.2 ; C3.1 2900.4,2180.71 2920.4,2200.71 2925.4,2200.71 2989.7,2265 RST1.2 ; v1(3000,735) R14.2
  Bottom Layer w10: v1(1585,1560) 1470,1560 1435,1525 1435,1500 v1(1695,1240) ; v1(1695,1585) v1(1780,1585) ; v1(1920,1670) v1(1970,1670) ; v1(1940,1140) 1940,1270 v1(1955,1285) ; v1(2125.56,1495.56) 2174.44,1495.56 v1(2175,1495) ; v1(2220,1545) 2220,1620 2235,1635 2240,1630 v1(2280,1630)
  other v1: 1970,350 2087.5,350 190,379.45 2530,445 2652.5,445 2770.71,731.95 2695,1190 301.18,1208.82 2960,1760 2957.55,2232.85 360,2465
KEY1: C6.2 K1.1 R8.1 U1.4 | length 1220.4
  Top Layer w10: U1.4@2055,1660 2130.57,1735.57 2534.98,1735.57 2639.85,1630.71 C6.2 2890,1630.3 R8.1 2890,1510 2910,1490 2915,1490 2990,1415 K1.1
LED1: D2.2 U1.3 | length 1883.2
  Top Layer w10: U1.3@2070.23,1649.77 2108.16,1687.7 2124.7,1687.7 v1(2127,1690) ; v1(2360,80) D2.2
  Bottom Layer w10: v1(2127,1690) 2195,1622 2195,1532.08 2223,1504.08 2223,1158.39 2225,1156.39 2225,1118.43 2215,1108.43 2215,225 v1(2360,80)
NetC12_1: C12.1 U2.4 | length 145.4
  Top Layer w10: C12.1 2410.71,1299.6 2430.71,1279.6 2430.71,1274.6 2485,1220.3 U2.4
NetD1_1: D1.1 R5.1 | length 232.1
  Top Layer w10: D1.1 1925,85 R5.1
NetD2_1: D2.1 R7.1 | length 190
  Top Layer w10: D2.1 R7.1
NetD3_K: D3.K Q1.C R11.1 | length 2396.6
  Top Layer w10: R11.1 2170,710 2150,730 2145,730 2080,795 Q1.C 2035,792 2035,655 2155,535 v1(2240,535) ; D3.K 2915,1805 v1(2925,1795)
  Bottom Layer w10: v1(2240,535) 2620,535 2925,840 v1(2925,1795)
NetMEMS1_7: MEMS1.7 R2.1 | length 465.9
  Top Layer w10: MEMS1.7 2360,1490 v1(2440,1490) ; v1(2445,1400) 2485,1360 R2.1
  Bottom Layer w10: v1(2440,1490) 2445,1485 v1(2445,1400)
NetQ1_B: Q1.B R12.1 | length 104.1
  Top Layer w10: R12.1 1910,715 Q1.B
NetQ2_B: Q2.B R15.1 | length 124.5
  Top Layer w10: R15.1 2890,365 Q2.B
NetQ3_B: Q3.B R16.1 | length 101.2
  Top Layer w10: R16.1 2370,710 Q3.B
NetQ3_C: Q3.C R17.2 | length 167.2
  Top Layer w10: Q3.C 2460,805 2525,740 2530,740 2550,720 R17.2
NRST: C3.2 D3.A R1.1 RST1.1 U1.7 | length 1563.7
  Top Layer w10: U1.7@2015,1705 2183,1873 2188.88,1873 2202.77,1886.89 2202.77,1892.77 2235,1925 2325,1925 2485.71,2085.71 2829.29,2085.71 ; R1.1 2755,2160 2829.29,2085.71 ; RST1.1 2940,1925 2915,1950 D3.A 2915,2030 2900.4,2044.6 C3.2 2829.29,2085.71
OSC_IN: C4.1 R6.2 U1.5 X1.2 | length 968.8
  Top Layer w10: C4.1 1360.78,1289.22 R6.2 1523.19,1273.19 X1.2 v1(1692,1346.81) ; v1(2005.56,1634.44) 2005.56,1636.01 U1.5@2044.77,1675.23
  Bottom Layer w10: v1(1692,1346.81) 1692,1347 1694.11,1349.11 1694.11,1359.11 1720.88,1385.88 1970,1635 2005,1635 v1(2005.56,1634.44)
OSC_OUT: C5.1 R6.1 U1.6 X1.1 | length 934.7
  Top Layer w10: R6.1 R6.1@1517.18,1132.82 ; C5.1 1599.22,1050.78 R6.1@1517.18,1132.82 ; v1@1710,1325 1656.81,1271.81 X1.1 1579.99,1136.36 1548.99,1136.36 1545.46,1132.82 R6.1@1517.18,1132.82 ; v1(1980,1613) 1980,1640 U1.6@2032.63,1692.63
  Bottom Layer w10: v1(1720,1325) 1723.25,1325 1729.13,1330.88 1730.88,1330.88 1784.94,1384.94 1787.17,1384.94 1912,1509.77 1912,1527.46 1980,1595.46 v1(1980,1613)
PA0: J1.4 U1.10 | length 2672.9
  Top Layer w10: J1.4 696.57,1856.57 v1(750,1910) ; v1(965,2150) 1085,2270 1405,2270 1410.86,2275.86 1410.86,2342.99 1409,2344.85 1409,2416.98 1410,2417.98 1410,2420 1422,2432 1424.37,2432 1437.37,2445 1655,2445 1760,2340 1760,2225 1795,2190 v1(1815,2190) ; U1.10@1968.43,1742.98 2008,1782.54 2008,1783 2040,1815 v1(2040,1880)
  Bottom Layer w10: v1(750,1910) 855,1910 965,2020 v1(965,2150) ; v1(1815,2190) 1838.89,2190 1885.89,2237 1904.11,2237 1919.14,2221.97 1919.14,2195.86 1975,2140 1975,2086.11 1982,2079.11 1982,1938 v1(2040,1880)
PA1: J1.3 U1.11 | length 2485.9
  Top Layer w10: J1.3 v1(830,1955) ; v1(940,2195) 1040,2295 1320,2295 1390,2365 1390,2372.02 1391,2373.02 1391,2426.46 1427.54,2463 1672,2463 1785,2350 v1(1785,2245) ; v1(1875,2070) v1(1960,2070) ; U1.11@1960.65,1760.65 1990,1790 v1(1990,1845)
  Bottom Layer w10: v1(830,1955) 832.3,1957.3 842.3,1957.3 940,2055 v1(940,2195) ; v1(1785,2245) 1785,2165 1875,2075 v1(1875,2070) ; v1(1960,2070) 1960,1875 v1(1990,1845)
PA2: J5.3 U1.12 | length 994.3
  Top Layer w10: v1(1857,1930.89) 1945,1842.89 U1.12@1945,1775
  Bottom Layer w10: J5.3 1354.14,2510.86 1354.14,2470.86 1405,2420 1405,2370 1482,2293 1482,2292.54 1841.36,1933.18 1854.7,1933.18 v1(1857,1930.89)
PA3: J5.2 U1.13 | length 959.2
  Top Layer w10: v1(1865,1970) 1835,1940 1835,1813.59 1843.78,1804.81 1843.78,1801.67 U1.13@1870.23,1775.23
  Bottom Layer w10: J5.2 1450,2465 1500,2415 1500,2300 1830,1970 v1(1865,1970)
PA4: J3.3 U1.14 | length 897.5
  Top Layer w10: U1.14@1860,1760 1825.78,1794.22 1825.78,1797.35 1808,1815.14 1808,2043 2059,2294 2059,2469 2100,2510 J3.3
PA5: J3.2 U1.15 | length 906.7
  Top Layer w10: U1.15@1840,1750 1840,1754.54 1807.78,1786.76 1807.78,1789.9 1790,1807.68 1790,2053.43 2041,2304.43 2041,2416.98 2000,2457.98 J3.2
PA6: J3.1 U1.16 | length 887.1
  Top Layer w10: 1745,1825.86 1745,2059.34 1840,2154.34 1840,2455 1870,2485 1875,2485 1900,2510 J3.1 ; v1(1785.78,1780.78) 1785.78,1777.54 1791.34,1771.98 1791.34,1769.57 U1.16@1825.46,1735.46
  Bottom Layer w10: v1(1733,1820) 1735.3,1817.7 1747.3,1817.7 1784.22,1780.78 v1(1785.78,1780.78)
PA7: J4.2 U1.17 | length 801.2
  Top Layer w10: U1.17@1815.23,1720.23 1755,1780.46 1755,1806.54 1763,1814.54 1763,2051.89 2000,2288.89 J4.2
PA8: U1.29 U3.15 | length 964.2
  Top Layer w10: v1(995,1535) 1017.95,1512.05 U3.15 ; v1(1260,1425) 1385,1425 1415,1395 1580,1395 v1(1585,1400) ; v1(1650,1415) 1700,1415 U1.29@1775,1490
  Bottom Layer w10: v1(995,1535) 1150,1535 v1(1260,1425) ; v1(1585,1400) 1630,1400 1645,1415 v1(1650,1415)
PA11: U1.32 U3.23 | length 938.8
  Top Layer w10: U3.23 1303.23,1716.77 1645,1375 1710,1375 v1(1725.56,1359.44) ; v1(1778.06,1406.94) 1778.06,1410.19 1783.61,1415.75 1783.61,1418.16 1819.88,1454.42 1819.88,1454.88 U1.32@1820,1455
  Bottom Layer w10: v1(1725.56,1359.44) 1770.76,1404.65 1775.76,1404.65 v1(1778.06,1406.94)
PA12: J4.1 U1.33 | length 1007.4
  Top Layer w10: U1.33@1835,1440 1897.5,1502.5 v1(1897.5,1602.5) ; v1(1895,2215) 1900,2220 J4.1
  Bottom Layer w10: v1(1895,2215) 1897,2213 1897,2060.89 1895,2058.89 1895,1825.46 1873,1803.46 1873,1627 v1(1897.5,1602.5) v1@1900,1600
PA15: J4.3 U1.38 | length 1062.8
  Top Layer w10: v1(1930,1495) 1930,1440 U1.38@1955,1415 ; v1@2100,2205 J4.3
  Bottom Layer w10: v1(1930,1495) 1930,1520 2105,1695 v1(2105,2205)
PB0: C7.2 R9.1 R10.2 U1.18 | length 2805.5
  Top Layer w10: R10.2 R9.1 100,595 145,640 580.4,640 608.4,668 778,668 795,685 795,1000 925,1130 v1(1185,1130) ; v1(1609.28,1728.77) 1613.77,1728.77 1655,1770 1740,1770 U1.18@1805,1705
  Bottom Layer w10: v1(1185,1130) 1185,1300 1322,1437 1322,1492.46 1379,1549.46 1379,1549.91 1484.53,1655.44 1484.99,1655.44 1554.54,1725 1605.51,1725 v1(1609.28,1728.77)
PB1: R13.1 R14.1 U1.19 | length 3505.9
  Top Layer w10: v1(1643.75,2195) 1643.75,1853.75 1640,1850 1665,1825 v1(1705,1825) ; v1(1675.56,2225.56) 1717.7,2267.7 1717.7,2272.7 v1(1720,2275) ; v1(1731.7,1747.19) 1731.7,1746.89 1743.25,1735.33 1743.25,1735 1749.13,1729.12 1750.88,1729.12 U1.19@1790,1690 ; v1(2015,2115) 2065,2065 v1(2130,2065) ; v1(2470,1970) 2595,1845 v1(2760,1845) ; v1(2795,1375) 2800,1375 2900,1275 2900,1185.61 2903.72,1181.89 2903.72,1161.28 3125,940 3125,705 3090,670 3085,670 3065,650 R14.1 R13.1
  Bottom Layer w10: v1(1643.75,2195) 1645,2195 v1(1675.56,2225.56) ; v1(1705,1825) 1705,1770 1721.81,1753.19 1722.45,1753.19 1728.45,1747.19 v1(1731.7,1747.19) ; v1(1720,2275) 1920,2275 1920.86,2275.86 1929.14,2275.86 2015,2190 v1(2015,2115) ; v1(2130,2065) 2211.79,1983.21 2220.07,1983.21 2254.44,2017.57 2285.56,2017.57 2333.14,1970 v1(2470,1970) ; v1(2760,1845) 2795,1810 v1(2795,1375)
PB3: MEMS1.4 U1.39 | length 913.9
  Top Layer w10: U1.39@1969.77,1429.77 1997,1402.54 1997,1398 2060,1335 v1(2245,1335)
  Bottom Layer w10: v1(2245,1335) 2245,1390 2320,1465 2320,1830 MEMS1.4
PB4: MEMS1.3 U1.40 | length 1096.8
  Top Layer w10: U1.40@1985,1440 2015,1410 2015,1405.46 2055.46,1365 v1(2357.5,1365)
  Bottom Layer w10: MEMS1.3 2405,1845 2405,1412.5 v1(2357.5,1365)
PB5: MEMS1.8 U1.41 | length 534.7
  Top Layer w10: U1.41@2000.23,1450.23 2033,1417.46 2033,1412.91 2055.91,1390 2276.75,1390 2281.75,1395 v1(2285,1395) ; MEMS1.8 2270.51,1480 2295.51,1455 v1(2370,1455)
  Bottom Layer w10: v1(2285,1395) 2310,1395 v1(2370,1455)
PB6: J2.4 U1.42 | length 2743.8
  Top Layer w10: v1@270,1010 v1(270.79,1010.79) J2.4 ; v1(1930,995) 1950,995 v1(1995,1040) ; U1.42@2015,1465 2016.57,1465 2055,1426.57 2055,1425.27 2058.51,1421.76 v1(2058.51,1418.51) ; v1(2080,1155) 2140,1215 2140,1265 v1(2155,1280)
  Bottom Layer w10: v1(270.79,1010.79) 356.57,925 885,925 1130,680 1615,680 v1(1930,995) ; v1(1995,1040) 1995,1070 v1(2080,1155) ; v1(2058.51,1418.51) 2061.49,1418.51 2075,1405 2075,1300 2095,1280 v1(2155,1280)
PB7: J2.3 U1.43 | length 2705.8
  Top Layer w10: v1(280,1110) 415.31,1110 J2.3 ; v1(1900,1015) 1950,1065 v1(1950,1070) ; U1.43@2023.2,1486.8 2068,1442 2068,1440.89 2082.43,1426.46 2091.35,1426.46 2094.59,1423.22 2094.59,1414.3 v1(2096.89,1412) ; v1(2045,1175) 2055,1175 2120,1240 v1@2120,1300
  Bottom Layer w10: v1(280,1110) 435.5,954.5 960,954.5 1045,869.5 1045,810 1155,700 1585,700 v1(1900,1015) ; v1(1950,1070) 2045,1165 v1(2045,1175) ; v1(2096.89,1412) 2099.18,1409.7 2111.44,1409.7 2115,1406.14 v1(2115,1305)
PB8: J6.3 U1.45 | length 1267.6
  Top Layer w10: J6.3 1464.57,2380.43 1489.57,2380.43 1705,2165 v1(1705,1920) ; v1(1870,1875) v1(1920,1825) ; v1(1895,1645) 1895,1636.11 1919.5,1611.61 1919.5,1600.5 1970,1550 2015,1550 U1.45@2055,1510
  Bottom Layer w10: v1(1705,1920) 1825,1920 v1(1870,1875) ; v1(1895,1645) 1895,1800 v1(1920,1825)
PB9: J6.4 U1.46 | length 1521.1
  Top Layer w10: v1(1870,2030) 2075,2030 v1(2150,1955) ; U1.46@2069.77,1524.77 2093.74,1500.81 2093.74,1496.26 2114.12,1475.88 2114.12,1474.13 2120,1468.25 v1(2120,1465) ; v1(2173,1455) 2173,1458 2251.79,1536.79 2251.79,1545.07 2232.43,1564.44 2232.43,1592.13 2200,1624.55 v1(2200,1670)
  Bottom Layer w10: J6.4 1550,2390 1717.02,2222.98 1717.02,2182.98 v1(1870,2030) ; v1(2120,1465) 2130,1455 v1(2173,1455) ; v1(2150,1955) 2150,1780 2200,1730 v1(2200,1670)
PB10: U1.21 U5.1 | length 1657.2
  Top Layer w10: v1(1415,865) 1415,750 1510,655 U5.1 ; v1(1535.56,1619.44) 1535.56,1675.56 1566.77,1706.77 1615.96,1706.77 1617.59,1708.4 1717.06,1708.4 U1.21@1760.23,1665.23
  Bottom Layer w10: v1(1415,865) 1415,1535 1499.44,1619.44 v1(1535.56,1619.44)
PB11: U1.22 U5.2 | length 1762.7
  Top Layer w10: v1(1340,865) 1340,745 1530,555 U5.2 ; v1(1575,1675) 1609.64,1675 1625.04,1690.4 1709.6,1690.4 U1.22@1744.31,1655.69
  Bottom Layer w10: v1(1340,865) 1340,1485 1397,1542 1397,1542.46 1491.99,1637.44 1492.44,1637.44 1530,1675 v1(1575,1675)
PB12: U1.25 U3.22 | length 735.9
  Top Layer w10: U3.22 1298.82,1691.18 1464.44,1525.56 1464.44,1524.44 v1(1467.73,1521.16) ; v1(1545,1525) 1698.63,1525 1719.59,1545.96 1720.96,1545.96 U1.25@1725,1550
  Bottom Layer w10: v1(1467.73,1521.16) 1469.24,1521.16 1473.36,1525.28 1544.72,1525.28 v1(1545,1525)
PB13: U1.26 U3.21 | length 746.9
  Top Layer w10: U3.21 1294.41,1665.59 1442.44,1517.56 1442.44,1515.33 1467.77,1490 1490.4,1490 1491.11,1489.3 1499.59,1489.3 v1(1501.89,1487) ; v1(1575,1490) 1689.09,1490 U1.26@1727.04,1527.96
  Bottom Layer w10: v1(1501.89,1487) 1504.89,1490 v1(1575,1490)
PB14: U1.27 U3.17 | length 765.3
  Top Layer w10: U3.17 1073.12,1563.95 1108.95,1563.95 1140,1595 v1(1140,1605) ; v1(1295,1605) 1435,1465 1523.89,1465 v1(1525.94,1462.94) ; v1(1605,1465) 1690,1465 U1.27@1735.24,1510.24
  Bottom Layer w10: v1(1140,1605) v1(1295,1605) ; v1(1525.94,1462.94) 1527.94,1462.94 1531,1466 1604,1466 v1(1605,1465)
PB15: U1.28 U3.16 | length 797.8
  Top Layer w10: U3.16 1117.64,1537.64 v1(1150,1570) ; v1(1270,1575) 1405,1440 1548.89,1440 v1(1549.44,1439.44) ; v1(1622,1440) 1695,1440 U1.28@1768.09,1513.09
  Bottom Layer w10: v1(1150,1570) 1155,1575 v1(1270,1575) ; v1(1549.44,1439.44) 1550,1440 v1(1622,1440)
PC13: U1.2 U5.5 | length 2014.5
  Top Layer w10: v1(1670,690) 1580,780 1455.86,780 1450,785.86 1450,880 1505,935 1700,935 v1(1900,1135) ; v1(2040,1595) 2043.25,1595 2049.13,1600.88 2050.88,1600.88 U1.2@2080,1630
  Bottom Layer w10: v1(1670,690) 1670,365 U5.5 ; v1(1900,1135) 1900,1320 1847.2,1372.8 1847.2,1381.09 2050,1583.89 2040,1593.89 v1(2040,1595)
RTS: Q1.E R16.2 U2.14 | length 1016.5
  Top Layer w10: Q1.E 2075,670 2115,630 v1(2315,630) ; R16.2 R16.2@2290,805 ; v1(2355,850) 2354.12,849.12 2339.12,849.12 2315,825 2310,825 R16.2@2290,805 ; U2.14 2534.47,978.47 2534.47,934.47 2495,895 2300,895 2290,885 R16.2@2290,805
  Bottom Layer w10: v1(2315,630) 2355,670 v1(2355,850)
RXD: U1.30 U2.3 | length 1290
  Top Layer w10: U1.30@1790.23,1479.77 1730,1419.54 1730,1390 2070,1050 2225,1050 2242,1067 2273.56,1067 2297.56,1043 2329.11,1043 2342,1055.89 2342,1079.97 2318.97,1103 2295.25,1103 2288.25,1110 v1(2285,1110) ; v1(2495,1110) 2532.77,1147.77 2532.77,1187.77 U2.3
  Bottom Layer w10: v1(2285,1110) v1(2495,1110)
SWCLK: SWD1.3 U1.37 | length 1875.5
  Top Layer w10: U1.37@1950,1395 2050,1295 v1(2050,1260) ; v1(2155,1195) 2160,1195 2180,1215 v1(2245,1215)
  Bottom Layer w10: v1(2050,1260) 2115,1195 v1(2155,1195) ; v1(2245,1215) 2350,1215 2350.86,1214.14 2359.14,1214.14 2585,1440 SWD1.3
SWDIO: SWD1.2 U1.34 | length 2208.1
  Top Layer w10: U1.34@1845,1420 1840,1420 1801.64,1381.64 1801.64,1373.36 2055,1120 2120,1120 2136.35,1136.35 2136.35,1141.35 v1(2155,1160) ; v1@2160,1160 2167.5,1167.5 v1(2245,1167.5)
  Bottom Layer w10: v1(2245,1167.5) 2245,1170 2270,1195 2415,1195 2685,1465 SWD1.2
TXD: U1.31 U2.2 | length 1138
  Top Layer w10: U1.31@1801.88,1461.88 1749.14,1409.14 1749.14,1400.4 2047.54,1102 2048,1102 2065,1085 2311.51,1085 2317.7,1078.81 2317.7,1067.3 v1(2320,1065) ; v1(2550,1110) 2584.97,1144.97 U2.2
  Bottom Layer w10: v1@2325,1065 2505,1065 v1(2550,1110)
USB5V: Q2.C R13.2 R15.2 USB1.1 | length 1429.6
  Top Layer w10: USB1.1 2788.07,1020.4 2792.91,1015.56 2792.91,1012.09 2850,955 2850,900 2940,810 R13.2 2890,735 2865,710 2865,585 2884.5,565.5 3058.49,565.5 3058.99,565 3060,565 3110.5,514.5 3110.5,431.51 3110,431.01 3110,400 3060,350 2985,350 2963,372 Q2.C 2835,480 2815,460 R15.2
pads on no net: J1.0 J2.0 MEMS1.5 MEMS1.6 S1.1 U2.7 U2.8 U2.9 U2.10 U2.11 U2.12 U2.15 USB1.0 USB1.4 USB1.MH1 USB1.MH2

## Polygon pours and split planes (outlines as drawn)
GND on Top Layer "Top Layer-No Net" (solid, remove dead copper, pour order 24): -355,2830 -285,2760 3535,2760 3535,-190 3365,-360 3160,-155 -330,-155
no net on Top Layer "Top Layer-No Net" (solid, remove dead copper, pour order 14): -180,2785
no net on Top Layer "Top Layer-No Net" (solid, remove dead copper, pour order 9): 590,1795
no net on Top Layer "Top Layer-No Net" (solid, remove dead copper, pour order 8): 1358.57,1351.43
no net on Top Layer "Top Layer-No Net" (solid, remove dead copper, pour order 0): 1665,2685
GND on Bottom Layer "Top Layer-No Net" (solid, remove dead copper, pour order 25): -225,2790 3645,2790 3385,2530 3385,-140 -275,-140 -335,-200
no net on Bottom Layer "Top Layer-No Net" (solid, remove dead copper, pour order 2): -240,2735

## Keep-outs
Keep-Out Layer:
  lines w10: 0,39.37 ccw(c39.37,39.37) 39.37,0 3110.24,0 ccw(c3110.24,39.37) 3149.61,39.37 3149.61,2559.06 ccw(c3110.24,2559.06) 3110.24,2598.43 39.37,2598.43 ccw(c39.37,2559.06) 0,2559.06 0,39.37

## Silkscreen, mask and mechanical layers (free items; w line width, h text height)
Top Overlay:
  text "BT0" at 1025,2470.46 h50
  text "BT1" at 1025,2415 h50
  text "GND" at 1210.05,2300.46 h50
  text "PA2" at 1320,2300 h50
  text "PA3" at 1415,2300.46 h50
  text "+5" at 1515.05,2300.46 h50
  text "PA8" at 1855,2300.42 h50
  text "PA5" at 1970,2300.46 h50
  text "PA4" at 2070,2300 h50
  text "GND" at 2165.05,2300.46 h50
  text "GND" at 2420.05,2300.46 h50
  text "PB8" at 1415,2245.42 h50
  text "PB9" at 1515,2245.46 h50
  text "PA12" at 1855,2245 h50
  text "PA7" at 1970,2245 h50
  text "PA15" at 2070,2245.46 h50
  text "+5" at 2170.05,2245.46 h50
  text "GND" at 1210.05,2240.46 h50
  text "3.3" at 1325,2240.46 h50
  text "M1" at 515,2135 h50
  text "北京科技大学" at 1015,2058.33 h137.8
  text "GND" at 510.05,2035.46 h50
  text "PA1" at 510,1940 h50
  text "机械工程学院" at 1104.73,1936.67 h98.43
  text "PA0" at 515,1840.46 h50
  text "5V" at 515,1740.46 h50
  text "M2" at 515,1645 h50
  text "M1" at 525,1315 h50
  text "GND" at 525.05,1215.46 h50
  text "PB7" at 525,1120 h50
  text "PB6" at 530,1015.46 h50
  text "5V" at 505,935.46 h50
  text "M2" at 505,840 h50
  text "PB10" at 1850,615.46 h50
  text "GND" at 2405.05,575.46 h50
  text "+5" at 2230.05,570.46 h50
  text "+3.3" at 2310.05,570.46 h50
Mechanical 1:
  lines w10: 2874.02,2598.43 39.37,2598.43 ccw(c39.37,2559.06) 0,2559.06 0,39.37 ccw(c39.37,39.37) 39.37,0 3110.24,0 ccw(c3110.24,39.37) 3149.61,39.37 3149.61,2559.06 ccw(c3110.24,2559.06) 3110.24,2598.43

## Text inside footprints (layer, text, board x,y; h text height)
MEMS1: Top Overlay "VCC" at 2320,2167.5 h25; Top Overlay "GND" at 2320,2067.5 h25; Top Overlay "SCL" at 2320,1967.5 h25; Top Overlay "SDA" at 2320,1867.5 h25; Top Overlay "XDA" at 2320,1767.5 h25; Top Overlay "XCL" at 2320,1667.5 h25; Top Overlay "AD0" at 2320,1567.5 h25; Top Overlay "INT" at 2320,1467.5 h25
U4: Top Overlay "IN-" at 1187.68,194.49 h30 r180; Top Overlay "IN+" at 1608.94,198.42 h30 r180; Top Overlay "OUT-" at 1101.06,729.92 h30; Top Overlay "OUT+" at 1534.13,725.98 h30